# Altium PCB mantarray_beta2_sensor_arrayed.PcbDoc (part 10 of 14) (continued)
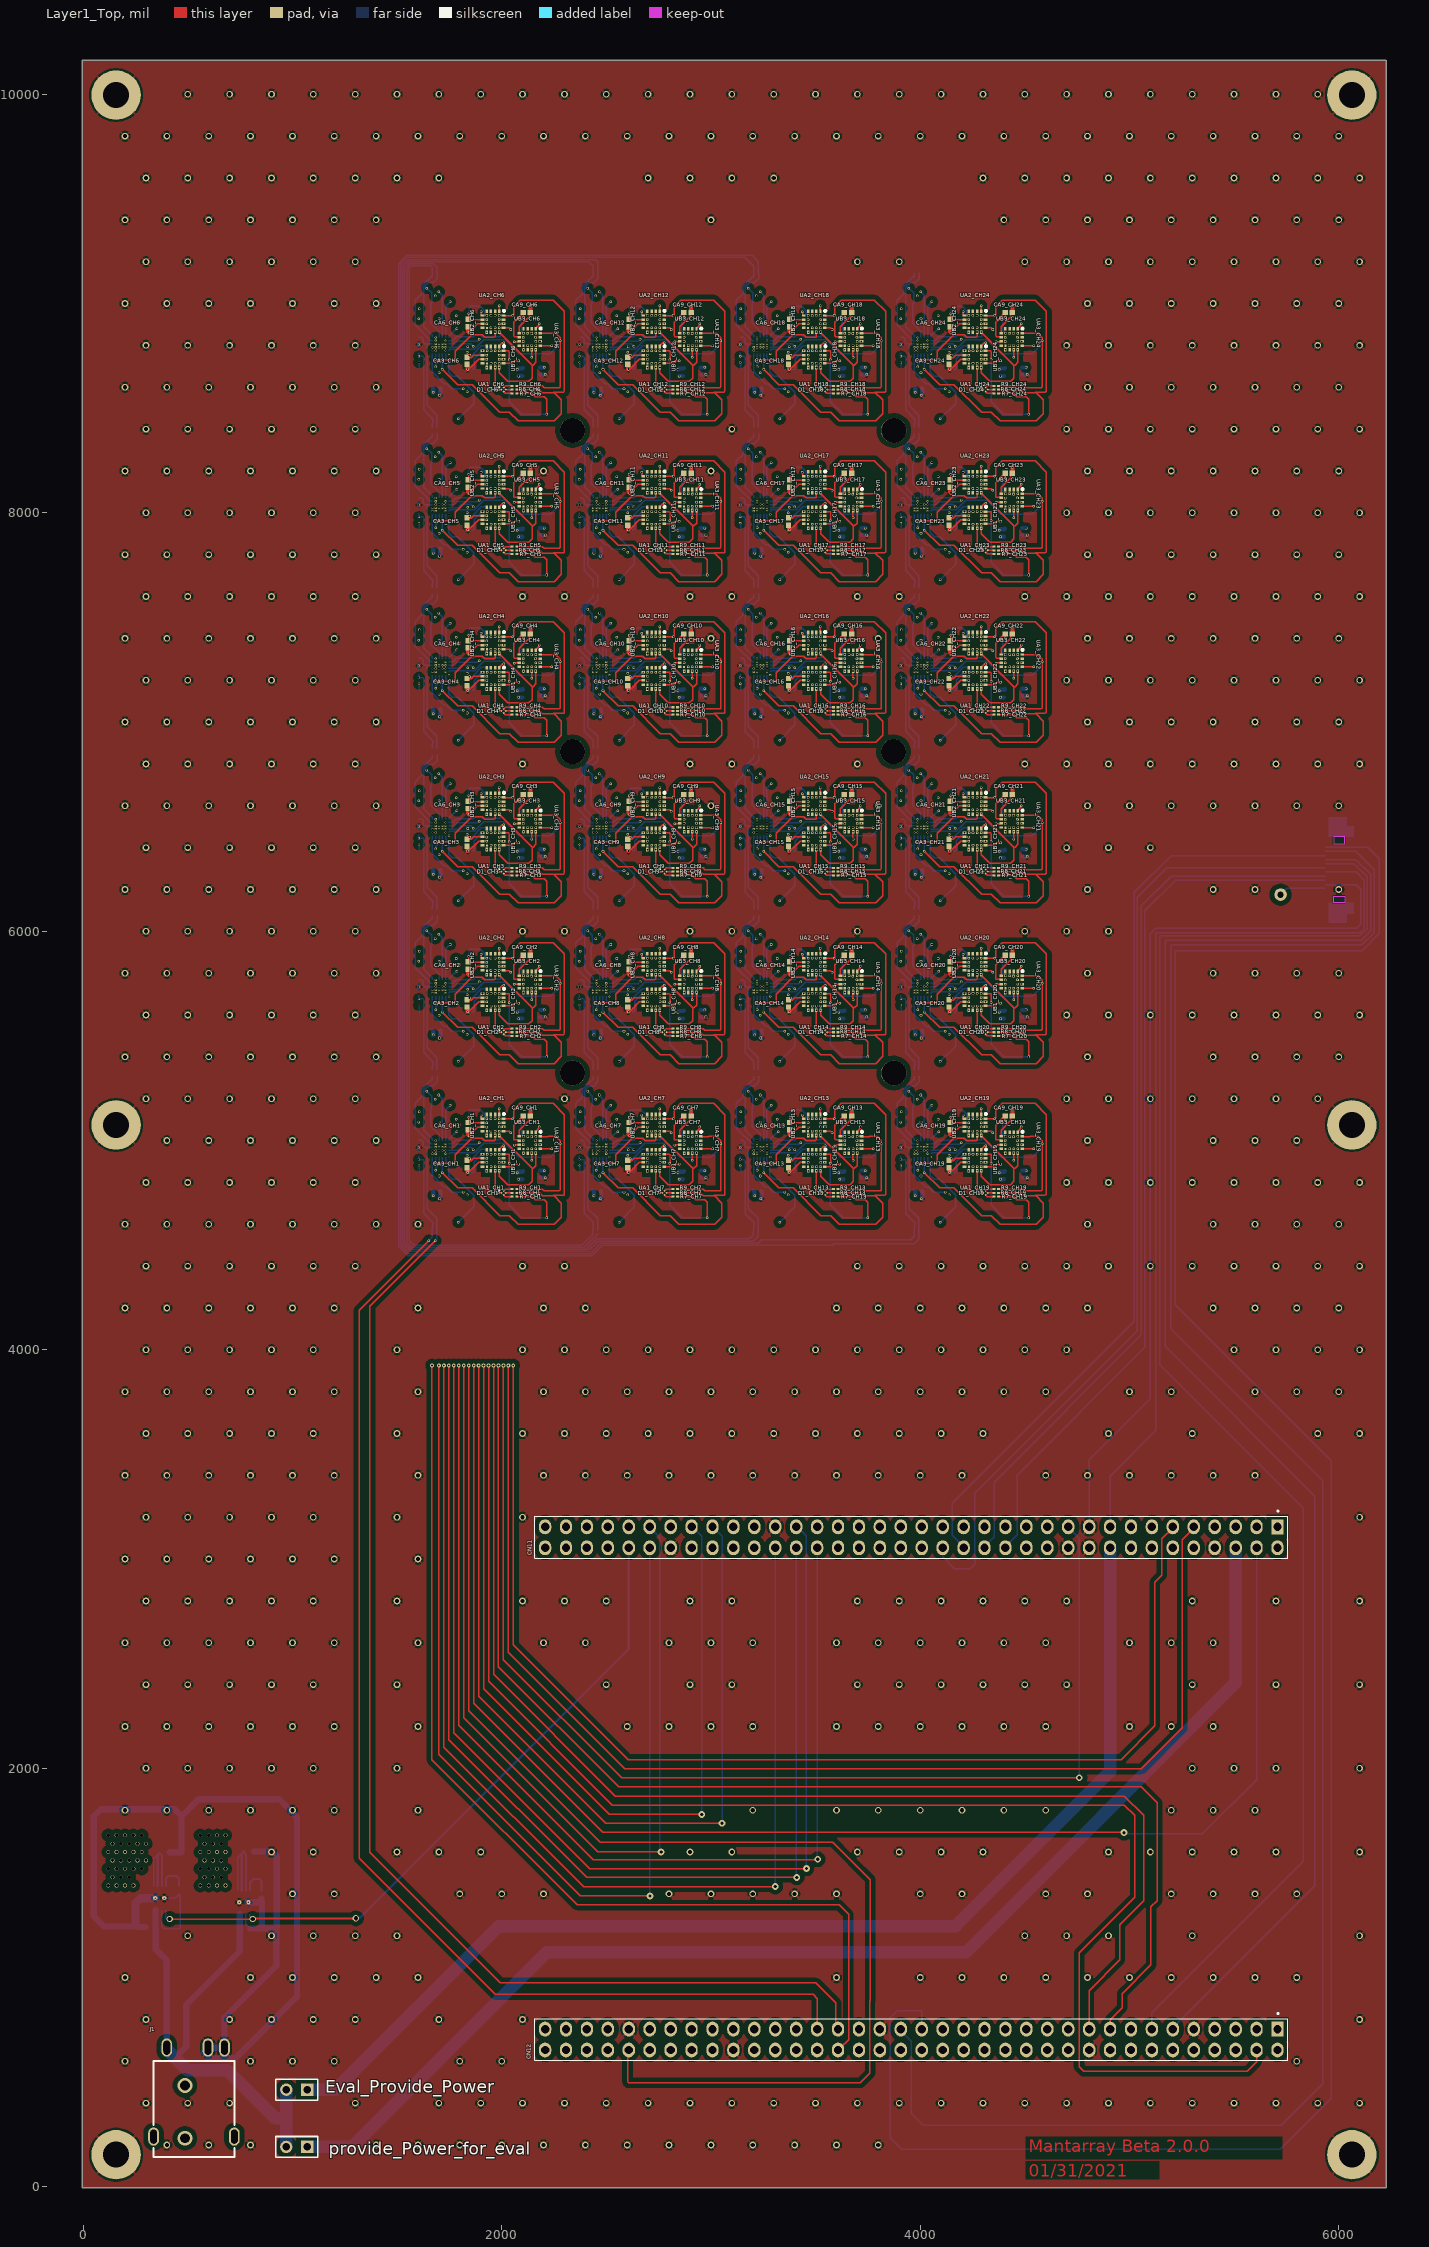
[diagram p0: Layer1_Top view]
## Nets (pads, with @x,y where several pads share a name; then routed paths per layer and width w, separated by ;. In a path a pad name is that pad's centre, name@x,y a point inside that pad or via, vN(x,y) a via of type N, cw(c..) or ccw(c..) an arc to the next point about the centre after c; other vN are vias at no path point) (continued)
MDC_CTS: Barcode_reader.7 CN11.17 | length 4364.8
  Layer8_BOT w6: CN11.17@4907.48,3153.94 4907.48,3395.67 5126.31,3614.5 5126.31,5988.61 5129.83,5992.13 6101.18,5992.13 6122.05,6012.99 6122.05,6244.52 6083.1,6283.46 Barcode_reader.7@5936.08,6283.46
MDC_LED: Barcode_reader.3 CN11.32 | length 4500.8
  Layer8_BOT w6: CN11.32@4207.48,3053.94 4207.48,3059.84 4153.54,3113.78 4153.54,3267.72 5022.31,4136.49 5022.31,6185.7 5198.82,6362.2 Barcode_reader.3@5936.08,6362.2
MDC_PD: Barcode_reader.5 CN12.13 | length 7284.5
  Layer8_BOT w6: CN12.13@5107.48,753.94 5107.48,831.89 5830.71,1555.12 5830.71,3242.13 5144.7,3928.14 5144.7,5974.83 5148.21,5978.35 6101.54,5978.35 6135.83,6012.63 6135.83,6259.84 6072.83,6322.83 Barcode_reader.5@5936.08,6322.83
MDC_RTS: Barcode_reader.6 CN11.34 | length 4700.5
  Layer8_BOT w6: CN11.34@4107.48,3059.84 CN11.34@4107.48,3053.94 4107.48,3010.63 4163.39,2954.72 4240.16,2954.72 4261.81,2976.38 4261.81,3314.96 5037.4,4090.55 5037.4,6163.39 5177.17,6303.15 Barcode_reader.6@5936.08,6303.15
MDC_RXD: Barcode_reader.9 CN11.28 | length 4242.5
  Layer8_BOT w6: CN11.28@4407.48,3053.94 4407.48,3059.84 4464.57,3116.93 4464.57,3401.57 5074.31,4011.32 5074.31,6097.94 5220.47,6244.09 Barcode_reader.9@5936.08,6244.09
MDC_TRIG: Barcode_reader.1 CN12.35 | length 10497.2
  Layer8_BOT w6: CN12.35@4007.48,753.94 4007.48,837.01 4001.97,842.52 3889.76,842.52 3856.3,809.06 3856.3,234.25 3911.42,179.13 5720.47,179.13 5964.57,423.23 5964.57,3470.47 5218.5,4216.54 5218.5,5903.97 5222.02,5907.48 6112.2,5907.48 6194.88,5990.16 6194.88,6346.46 6139.76,6401.57 Barcode_reader.1@5936.08,6401.57
MDC_TXD: Barcode_reader.8 CN11.30 | length 4316.3
  Layer8_BOT w6: CN11.30@4307.48,3053.94 4307.48,3059.84 4353.7,3106.06 4353.7,3367.48 5057.09,4070.87 5057.09,6122.05 5198.82,6263.78 Barcode_reader.8@5936.08,6263.78
MDC_WAKE: Barcode_reader.2 CN12.37 | length 9804.1
  Layer8_BOT w6: CN12.37@3907.48,753.94 3907.48,746.06 3956.69,696.85 3956.69,352.36 4015.75,293.31 5724.41,293.31 5923.07,491.97 5923.07,3374.17 5196.85,4100.39 5196.85,5931.52 5200.37,5935.04 6110.24,5935.04 6169.29,5994.09 6169.29,6295.28 6082.68,6381.89 Barcode_reader.2@5936.08,6381.89
NetC73_AVDD_1: C73_AVDD.1 U14_AVDD.8 | length 146.4
  Layer8_BOT w10: U14_AVDD.8@797.25,1417.32 797.25,1454.73 812.99,1470.47 842.52,1470.47 852.36,1460.63 C73_AVDD.1@852.36,1417.32
NetC73_DVDD_1: C73_DVDD.1 U14_DVDD.8 | length 146.4
  Layer8_BOT w10: U14_DVDD.8@395.67,1437.01 395.67,1474.41 407.48,1486.22 444.88,1486.22 458.66,1472.44 C73_DVDD.1@458.66,1437.01
NetD1_CH1_2: D1_CH1.2 R9_CH1.1 | length 43.7
  Layer1_Top w6: D1_CH1.2@2009.84,4759.74 2017.82,4767.72 R9_CH1.1@2050.2,4767.72
NetD1_CH1_3: D1_CH1.3 R8_CH1.1 | length 30.6
  Layer1_Top w6: D1_CH1.3@2019.59,4750 R8_CH1.1@2050.2,4750
NetD1_CH1_4: D1_CH1.4 R7_CH1.1 | length 43.7
  Layer1_Top w6: D1_CH1.4@2009.84,4740.26 2017.82,4732.28 R7_CH1.1@2050.2,4732.28
NetD1_CH2_2: D1_CH2.2 R9_CH2.1 | length 43.7
  Layer1_Top w6: D1_CH2.2@2009.84,5527.46 2017.82,5535.43 R9_CH2.1@2050.2,5535.43
NetD1_CH2_3: D1_CH2.3 R8_CH2.1 | length 30.6
  Layer1_Top w6: D1_CH2.3@2019.59,5517.72 R8_CH2.1@2050.2,5517.72
NetD1_CH2_4: D1_CH2.4 R7_CH2.1 | length 43.7
  Layer1_Top w6: D1_CH2.4@2009.84,5507.97 2017.82,5500 R7_CH2.1@2050.2,5500
NetD1_CH3_2: D1_CH3.2 R9_CH3.1 | length 43.7
  Layer1_Top w6: D1_CH3.2@2009.84,6295.18 2017.82,6303.15 R9_CH3.1@2050.2,6303.15
NetD1_CH3_3: D1_CH3.3 R8_CH3.1 | length 30.6
  Layer1_Top w6: D1_CH3.3@2019.59,6285.43 R8_CH3.1@2050.2,6285.43
NetD1_CH3_4: D1_CH3.4 R7_CH3.1 | length 43.7
  Layer1_Top w6: D1_CH3.4@2009.84,6275.69 2017.82,6267.72 R7_CH3.1@2050.2,6267.72
NetD1_CH4_2: D1_CH4.2 R9_CH4.1 | length 43.7
  Layer1_Top w6: D1_CH4.2@2009.84,7062.89 2017.82,7070.87 R9_CH4.1@2050.2,7070.87
NetD1_CH4_3: D1_CH4.3 R8_CH4.1 | length 30.6
  Layer1_Top w6: D1_CH4.3@2019.59,7053.15 R8_CH4.1@2050.2,7053.15
NetD1_CH4_4: D1_CH4.4 R7_CH4.1 | length 43.7
  Layer1_Top w6: D1_CH4.4@2009.84,7043.4 2017.82,7035.43 R7_CH4.1@2050.2,7035.43
NetD1_CH5_2: D1_CH5.2 R9_CH5.1 | length 43.7
  Layer1_Top w6: D1_CH5.2@2009.84,7830.61 2017.82,7838.58 R9_CH5.1@2050.2,7838.58
NetD1_CH5_3: D1_CH5.3 R8_CH5.1 | length 30.6
  Layer1_Top w6: D1_CH5.3@2019.59,7820.86 R8_CH5.1@2050.2,7820.87
NetD1_CH5_4: D1_CH5.4 R7_CH5.1 | length 43.7
  Layer1_Top w6: D1_CH5.4@2009.84,7811.12 2017.82,7803.15 R7_CH5.1@2050.2,7803.15
NetD1_CH6_2: D1_CH6.2 R9_CH6.1 | length 43.7
  Layer1_Top w6: D1_CH6.2@2009.84,8598.33 2017.82,8606.3 R9_CH6.1@2050.2,8606.3
NetD1_CH6_3: D1_CH6.3 R8_CH6.1 | length 30.6
  Layer1_Top w6: D1_CH6.3@2019.59,8588.58 R8_CH6.1@2050.2,8588.58
NetD1_CH6_4: D1_CH6.4 R7_CH6.1 | length 43.7
  Layer1_Top w6: D1_CH6.4@2009.84,8578.84 2017.82,8570.87 R7_CH6.1@2050.2,8570.87
NetD1_CH7_2: D1_CH7.2 R9_CH7.1 | length 43.7
  Layer1_Top w6: D1_CH7.2@2777.56,4759.74 2785.53,4767.72 R9_CH7.1@2817.91,4767.72
NetD1_CH7_3: D1_CH7.3 R8_CH7.1 | length 30.6
  Layer1_Top w6: D1_CH7.3@2787.3,4750 R8_CH7.1@2817.91,4750
NetD1_CH7_4: D1_CH7.4 R7_CH7.1 | length 43.7
  Layer1_Top w6: D1_CH7.4@2777.56,4740.26 2785.53,4732.28 R7_CH7.1@2817.91,4732.28
NetD1_CH8_2: D1_CH8.2 R9_CH8.1 | length 43.7
  Layer1_Top w6: D1_CH8.2@2777.56,5527.46 2785.53,5535.43 R9_CH8.1@2817.91,5535.43
NetD1_CH8_3: D1_CH8.3 R8_CH8.1 | length 30.6
  Layer1_Top w6: D1_CH8.3@2787.3,5517.72 R8_CH8.1@2817.91,5517.72
NetD1_CH8_4: D1_CH8.4 R7_CH8.1 | length 43.7
  Layer1_Top w6: D1_CH8.4@2777.56,5507.97 2785.53,5500 R7_CH8.1@2817.91,5500
NetD1_CH9_2: D1_CH9.2 R9_CH9.1 | length 43.7
  Layer1_Top w6: D1_CH9.2@2777.56,6295.18 2785.53,6303.15 R9_CH9.1@2817.91,6303.15
NetD1_CH9_3: D1_CH9.3 R8_CH9.1 | length 30.6
  Layer1_Top w6: D1_CH9.3@2787.3,6285.43 R8_CH9.1@2817.91,6285.43
NetD1_CH9_4: D1_CH9.4 R7_CH9.1 | length 43.7
  Layer1_Top w6: D1_CH9.4@2777.56,6275.69 2785.53,6267.72 R7_CH9.1@2817.91,6267.72
NetD1_CH10_2: D1_CH10.2 R9_CH10.1 | length 43.7
  Layer1_Top w6: D1_CH10.2@2777.56,7062.89 2785.53,7070.87 R9_CH10.1@2817.91,7070.87
NetD1_CH10_3: D1_CH10.3 R8_CH10.1 | length 30.6
  Layer1_Top w6: D1_CH10.3@2787.3,7053.15 R8_CH10.1@2817.91,7053.15
NetD1_CH10_4: D1_CH10.4 R7_CH10.1 | length 43.7
  Layer1_Top w6: D1_CH10.4@2777.56,7043.4 2785.53,7035.43 R7_CH10.1@2817.91,7035.43
NetD1_CH11_2: D1_CH11.2 R9_CH11.1 | length 43.7
  Layer1_Top w6: D1_CH11.2@2777.56,7830.61 2785.53,7838.58 R9_CH11.1@2817.91,7838.58
NetD1_CH11_3: D1_CH11.3 R8_CH11.1 | length 30.6
  Layer1_Top w6: D1_CH11.3@2787.3,7820.86 R8_CH11.1@2817.91,7820.87
NetD1_CH11_4: D1_CH11.4 R7_CH11.1 | length 43.7
  Layer1_Top w6: D1_CH11.4@2777.56,7811.12 2785.53,7803.15 R7_CH11.1@2817.91,7803.15
NetD1_CH12_2: D1_CH12.2 R9_CH12.1 | length 43.7
  Layer1_Top w6: D1_CH12.2@2777.56,8598.33 2785.53,8606.3 R9_CH12.1@2817.91,8606.3
NetD1_CH12_3: D1_CH12.3 R8_CH12.1 | length 30.6
  Layer1_Top w6: D1_CH12.3@2787.3,8588.58 R8_CH12.1@2817.91,8588.58
NetD1_CH12_4: D1_CH12.4 R7_CH12.1 | length 43.7
  Layer1_Top w6: D1_CH12.4@2777.56,8578.84 2785.53,8570.87 R7_CH12.1@2817.91,8570.87
NetD1_CH13_2: D1_CH13.2 R9_CH13.1 | length 43.7
  Layer1_Top w6: D1_CH13.2@3545.28,4759.74 3553.25,4767.72 R9_CH13.1@3585.63,4767.72
NetD1_CH13_3: D1_CH13.3 R8_CH13.1 | length 30.6
  Layer1_Top w6: D1_CH13.3@3555.02,4750 R8_CH13.1@3585.63,4750
NetD1_CH13_4: D1_CH13.4 R7_CH13.1 | length 43.7
  Layer1_Top w6: D1_CH13.4@3545.28,4740.26 3553.25,4732.28 R7_CH13.1@3585.63,4732.28
NetD1_CH14_2: D1_CH14.2 R9_CH14.1 | length 43.7
  Layer1_Top w6: D1_CH14.2@3545.28,5527.46 3553.25,5535.43 R9_CH14.1@3585.63,5535.43
NetD1_CH14_3: D1_CH14.3 R8_CH14.1 | length 30.6
  Layer1_Top w6: D1_CH14.3@3555.02,5517.72 R8_CH14.1@3585.63,5517.72
NetD1_CH14_4: D1_CH14.4 R7_CH14.1 | length 43.7
  Layer1_Top w6: D1_CH14.4@3545.28,5507.97 3553.25,5500 R7_CH14.1@3585.63,5500
NetD1_CH15_2: D1_CH15.2 R9_CH15.1 | length 43.7
  Layer1_Top w6: D1_CH15.2@3545.28,6295.18 3553.25,6303.15 R9_CH15.1@3585.63,6303.15
NetD1_CH15_3: D1_CH15.3 R8_CH15.1 | length 30.6
  Layer1_Top w6: D1_CH15.3@3555.02,6285.43 R8_CH15.1@3585.63,6285.43
NetD1_CH15_4: D1_CH15.4 R7_CH15.1 | length 43.7
  Layer1_Top w6: D1_CH15.4@3545.28,6275.69 3553.25,6267.72 R7_CH15.1@3585.63,6267.72
NetD1_CH16_2: D1_CH16.2 R9_CH16.1 | length 43.7
  Layer1_Top w6: D1_CH16.2@3545.28,7062.89 3553.25,7070.87 R9_CH16.1@3585.63,7070.87
NetD1_CH16_3: D1_CH16.3 R8_CH16.1 | length 30.6
  Layer1_Top w6: D1_CH16.3@3555.02,7053.15 R8_CH16.1@3585.63,7053.15
NetD1_CH16_4: D1_CH16.4 R7_CH16.1 | length 43.7
  Layer1_Top w6: D1_CH16.4@3545.28,7043.4 3553.25,7035.43 R7_CH16.1@3585.63,7035.43
NetD1_CH17_2: D1_CH17.2 R9_CH17.1 | length 43.7
  Layer1_Top w6: D1_CH17.2@3545.28,7830.61 3553.25,7838.58 R9_CH17.1@3585.63,7838.58
NetD1_CH17_3: D1_CH17.3 R8_CH17.1 | length 30.6
  Layer1_Top w6: D1_CH17.3@3555.02,7820.86 R8_CH17.1@3585.63,7820.87
NetD1_CH17_4: D1_CH17.4 R7_CH17.1 | length 43.7
  Layer1_Top w6: D1_CH17.4@3545.28,7811.12 3553.25,7803.15 R7_CH17.1@3585.63,7803.15
NetD1_CH18_2: D1_CH18.2 R9_CH18.1 | length 43.7
  Layer1_Top w6: D1_CH18.2@3545.28,8598.33 3553.25,8606.3 R9_CH18.1@3585.63,8606.3
NetD1_CH18_3: D1_CH18.3 R8_CH18.1 | length 30.6
  Layer1_Top w6: D1_CH18.3@3555.02,8588.58 R8_CH18.1@3585.63,8588.58
NetD1_CH18_4: D1_CH18.4 R7_CH18.1 | length 43.7
  Layer1_Top w6: D1_CH18.4@3545.28,8578.84 3553.25,8570.87 R7_CH18.1@3585.63,8570.87
NetD1_CH19_2: D1_CH19.2 R9_CH19.1 | length 43.7
  Layer1_Top w6: D1_CH19.2@4312.99,4759.74 4320.97,4767.72 R9_CH19.1@4353.35,4767.72
NetD1_CH19_3: D1_CH19.3 R8_CH19.1 | length 30.6
  Layer1_Top w6: D1_CH19.3@4322.74,4750 R8_CH19.1@4353.35,4750
NetD1_CH19_4: D1_CH19.4 R7_CH19.1 | length 43.7
  Layer1_Top w6: D1_CH19.4@4312.99,4740.26 4320.97,4732.28 R7_CH19.1@4353.35,4732.28
NetD1_CH20_2: D1_CH20.2 R9_CH20.1 | length 43.7
  Layer1_Top w6: D1_CH20.2@4312.99,5527.46 4320.97,5535.43 R9_CH20.1@4353.35,5535.43
NetD1_CH20_3: D1_CH20.3 R8_CH20.1 | length 30.6
  Layer1_Top w6: D1_CH20.3@4322.74,5517.72 R8_CH20.1@4353.35,5517.72
NetD1_CH20_4: D1_CH20.4 R7_CH20.1 | length 43.7
  Layer1_Top w6: D1_CH20.4@4312.99,5507.97 4320.97,5500 R7_CH20.1@4353.35,5500
NetD1_CH21_2: D1_CH21.2 R9_CH21.1 | length 43.7
  Layer1_Top w6: D1_CH21.2@4312.99,6295.18 4320.97,6303.15 R9_CH21.1@4353.35,6303.15
NetD1_CH21_3: D1_CH21.3 R8_CH21.1 | length 30.6
  Layer1_Top w6: D1_CH21.3@4322.74,6285.43 R8_CH21.1@4353.35,6285.43
NetD1_CH21_4: D1_CH21.4 R7_CH21.1 | length 43.7
  Layer1_Top w6: D1_CH21.4@4312.99,6275.69 4320.97,6267.72 R7_CH21.1@4353.35,6267.72
NetD1_CH22_2: D1_CH22.2 R9_CH22.1 | length 43.7
  Layer1_Top w6: D1_CH22.2@4312.99,7062.89 4320.97,7070.87 R9_CH22.1@4353.35,7070.87
NetD1_CH22_3: D1_CH22.3 R8_CH22.1 | length 30.6
  Layer1_Top w6: D1_CH22.3@4322.74,7053.15 R8_CH22.1@4353.35,7053.15
NetD1_CH22_4: D1_CH22.4 R7_CH22.1 | length 43.7
  Layer1_Top w6: D1_CH22.4@4312.99,7043.4 4320.97,7035.43 R7_CH22.1@4353.35,7035.43
NetD1_CH23_2: D1_CH23.2 R9_CH23.1 | length 43.7
  Layer1_Top w6: D1_CH23.2@4312.99,7830.61 4320.97,7838.58 R9_CH23.1@4353.35,7838.58
NetD1_CH23_3: D1_CH23.3 R8_CH23.1 | length 30.6
  Layer1_Top w6: D1_CH23.3@4322.74,7820.86 R8_CH23.1@4353.35,7820.87
NetD1_CH23_4: D1_CH23.4 R7_CH23.1 | length 43.7
  Layer1_Top w6: D1_CH23.4@4312.99,7811.12 4320.97,7803.15 R7_CH23.1@4353.35,7803.15
NetD1_CH24_2: D1_CH24.2 R9_CH24.1 | length 43.7
  Layer1_Top w6: D1_CH24.2@4312.99,8598.33 4320.97,8606.3 R9_CH24.1@4353.35,8606.3
NetD1_CH24_3: D1_CH24.3 R8_CH24.1 | length 30.6
  Layer1_Top w6: D1_CH24.3@4322.74,8588.58 R8_CH24.1@4353.35,8588.58
NetD1_CH24_4: D1_CH24.4 R7_CH24.1 | length 43.7
  Layer1_Top w6: D1_CH24.4@4312.99,8578.84 4320.97,8570.87 R7_CH24.1@4353.35,8570.87
NRST: CN11.14
PROGRAMMER_RX: CN11.9 pad.5@2003.94,4557.09 pad.5@2003.94,5320.87 pad.5@2003.94,5324.8 pad.5@2003.94,6088.58 pad.5@2003.94,6092.52 pad.5@2003.94,6856.3 pad.5@2003.94,6860.24 pad.5@2003.94,7624.02 pad.5@2003.94,7627.95 pad.5@2003.94,8391.73 pad.5@2003.94,8395.67 pad.5@2003.94,9159.45 pad.5@2771.65,4557.09 pad.5@2771.65,5320.87 pad.5@2771.65,5324.8 pad.5@2771.65,6088.58 pad.5@2771.65,6092.52 pad.5@2771.65,6856.3 pad.5@2771.65,6860.24 pad.5@2771.65,7624.02 pad.5@2771.65,7627.95 pad.5@2771.65,8391.73 pad.5@2771.65,8395.67 pad.5@2771.65,9159.45 pad.5@3539.37,4557.09 pad.5@3539.37,5320.87 pad.5@3539.37,5324.8 pad.5@3539.37,6088.58 pad.5@3539.37,6092.52 pad.5@3539.37,6856.3 pad.5@3539.37,6860.24 pad.5@3539.37,7624.02 pad.5@3539.37,7627.95 pad.5@3539.37,8391.73 pad.5@3539.37,8395.67 pad.5@3539.37,9159.45 pad.5@4307.09,4557.09 pad.5@4307.09,5320.87 pad.5@4307.09,5324.8 pad.5@4307.09,6088.58 pad.5@4307.09,6092.52 pad.5@4307.09,6856.3 pad.5@4307.09,6860.24 pad.5@4307.09,7624.02 pad.5@4307.09,7627.95 pad.5@4307.09,8391.73 pad.5@4307.09,8395.67 pad.5@4307.09,9159.45 U1_CH1.D1 U1_CH2.D1 U1_CH3.D1 U1_CH4.D1 U1_CH5.D1 U1_CH6.D1 U1_CH7.D1 U1_CH8.D1 U1_CH9.D1 U1_CH10.D1 U1_CH11.D1 U1_CH12.D1 U1_CH13.D1 U1_CH14.D1 U1_CH15.D1 U1_CH16.D1 U1_CH17.D1 U1_CH18.D1 U1_CH19.D1 U1_CH20.D1 U1_CH21.D1 U1_CH22.D1 U1_CH23.D1 U1_CH24.D1 | length 36155.8
  Layer1_Top w6: v8(2032.16,3925.2) 2032.16,2554.92 2589.14,1997.94 5056.99,1997.94 5251.97,2192.91 5251.97,3092.52 5307.48,3148.03 CN11.9@5307.48,3153.94
  Layer6_BUS w6: v4(1812.08,9575.86) 2003.94,9384.01 pad.5@2003.94,9159.45 ; v1(1864.55,4956.98) 1865.36,4956.98 1873.53,4948.82 1874.02,4948.82 1875.83,4947.01 ; v1(1864.55,5724.7) 1865.36,5724.7 1873.53,5716.54 1874.02,5716.54 1875.83,5714.72 ; v1(1864.55,6492.41) 1865.36,6492.41 1873.53,6484.25 1874.02,6484.25 1875.83,6482.44 ; v1(1864.55,7260.13) 1865.36,7260.13 1873.53,7251.97 1874.02,7251.97 1875.83,7250.16 ; v1(1864.55,8027.85) 1865.36,8027.85 1873.53,8019.69 1874.02,8019.69 1875.83,8017.87 ; v1(1864.55,8795.56) 1865.36,8795.56 1873.53,8787.4 1874.02,8787.4 1875.83,8785.59 ; pad.5@2003.94,4555.12 2003.94,4682.18 1875.98,4810.14 1875.98,5171.26 2003.94,5299.21 pad.5@2003.94,5320.87 pad.5@2003.94,5322.83 ; pad.5@2003.94,4557.09 2003.94,4003.94 2032.16,3975.72 v8(2032.16,3925.2) ; pad.5@2003.94,5324.8 pad.5@2003.94,5322.83 ; pad.5@2003.94,6092.52 pad.5@2003.94,6090.55 ; pad.5@2003.94,6860.24 pad.5@2003.94,6858.27 ; pad.5@2003.94,7627.95 pad.5@2003.94,7625.98 ; pad.5@2003.94,8395.67 pad.5@2003.94,8393.7 ; pad.5@2003.94,9161.42 pad.5@2003.94,9159.45 ; v4(2607.36,4130.83) 2771.65,4295.12 pad.5@2771.65,4557.09 2771.65,4555.12 2771.65,4682.18 2643.7,4810.14 2643.7,5171.26 2771.65,5299.21 pad.5@2771.65,5320.87 pad.5@2771.65,5322.83 ; v4(2616.63,9506.4) 2771.65,9351.38 pad.5@2771.65,9159.45 ; v1(2632.27,4956.98) 2633.08,4956.98 2641.24,4948.82 2641.73,4948.82 2643.54,4947.01 ; v1(2632.27,5724.7) 2633.08,5724.7 2641.24,5716.54 2641.73,5716.54 2643.54,5714.72 ; v1(2632.27,6492.41) 2633.08,6492.41 2641.24,6484.25 2641.73,6484.25 2643.54,6482.44 ; v1(2632.27,7260.13) 2633.08,7260.13 2641.24,7251.97 2641.73,7251.97 2643.54,7250.16 ; v1(2632.27,8027.85) 2633.08,8027.85 2641.24,8019.69 2641.73,8019.69 2643.54,8017.87 ; v1(2632.27,8795.56) 2633.08,8795.56 2641.24,8787.4 2641.73,8787.4 2643.54,8785.59 ; pad.5@2771.65,5324.8 pad.5@2771.65,5322.83 ; pad.5@2771.65,6092.52 pad.5@2771.65,6090.55 ; pad.5@2771.65,6860.24 pad.5@2771.65,6858.27 ; pad.5@2771.65,7627.95 pad.5@2771.65,7625.98 ; pad.5@2771.65,8395.67 pad.5@2771.65,8393.7 ; pad.5@2771.65,9161.42 pad.5@2771.65,9159.45 ; v4(3379.01,9558.15) 3539.37,9397.79 pad.5@3539.37,9159.45 ; v1(3399.99,4956.98) 3400.8,4956.98 3408.96,4948.82 3409.45,4948.82 3411.26,4947.01 ; v1(3399.99,5724.7) 3400.8,5724.7 3408.96,5716.54 3409.45,5716.54 3411.26,5714.72 ; v1(3399.99,6492.41) 3400.8,6492.41 3408.96,6484.25 3409.45,6484.25 3411.26,6482.44 ; v1(3399.99,7260.13) 3400.8,7260.13 3408.96,7251.97 3409.45,7251.97 3411.26,7250.16 ; v1(3399.99,8027.85) 3400.8,8027.85 3408.96,8019.69 3409.45,8019.69 3411.26,8017.87 ; v1(3399.99,8795.56) 3400.8,8795.56 3408.96,8787.4 3409.45,8787.4 3411.26,8785.59 ; v4(3468.01,4246.56) 3539.37,4317.91 pad.5@3539.37,4557.09 3539.37,4555.12 3539.37,4682.18 3411.42,4810.14 3411.42,5171.26 3539.37,5299.21 pad.5@3539.37,5320.87 pad.5@3539.37,5322.83 ; pad.5@3539.37,5324.8 pad.5@3539.37,5322.83 ; pad.5@3539.37,6092.52 pad.5@3539.37,6090.55 ; pad.5@3539.37,6860.24 pad.5@3539.37,6858.27 ; pad.5@3539.37,7627.95 pad.5@3539.37,7625.98 ; pad.5@3539.37,8395.67 pad.5@3539.37,8393.7 ; pad.5@3539.37,9161.42 pad.5@3539.37,9159.45 ; v4(4123.11,9556.18) 4307.75,9371.54 pad.5@4307.75,9160.11 ; v1(4167.7,4956.98) 4168.51,4956.98 4176.68,4948.82 4177.17,4948.82 4178.98,4947.01 ; v1(4167.7,5724.7) 4168.51,5724.7 4176.68,5716.54 4177.17,5716.54 4178.98,5714.72 ; v1(4167.7,6492.41) 4168.51,6492.41 4176.68,6484.25 4177.17,6484.25 4178.98,6482.44 ; v1(4167.7,7260.13) 4168.51,7260.13 4176.68,7251.97 4177.17,7251.97 4178.98,7250.16 ; v1(4167.7,8027.85) 4168.51,8027.85 4176.68,8019.69 4177.17,8019.69 4178.98,8017.87 ; v1(4167.7,8795.56) 4168.51,8795.56 4176.68,8787.4 4177.17,8787.4 4178.98,8785.59 ; pad.5@4307.09,4557.09 4307.09,4555.12 4307.09,4682.18 4179.13,4810.14 4179.13,5171.26 4307.09,5299.21 pad.5@4307.09,5320.87 pad.5@4307.09,5322.83 ; pad.5@4307.09,5324.8 pad.5@4307.09,5322.83 ; pad.5@4307.09,6092.52 pad.5@4307.09,6090.55 ; pad.5@4307.09,6860.24 pad.5@4307.09,6858.27 ; pad.5@4307.09,7627.95 pad.5@4307.09,7625.98 ; pad.5@4307.09,8395.67 pad.5@4307.09,8393.7 ; pad.5@4307.09,9161.42 pad.5@4307.09,9159.45 4307.09,9137.8 4179.13,9009.84 4179.13,8648.72 4307.09,8520.77 pad.5@4307.09,8393.7 ; pad.5@2003.94,5322.83 2003.94,5449.9 1875.98,5577.85 1875.98,5938.98 2003.94,6066.93 pad.5@2003.94,6088.58 pad.5@2003.94,6090.55 ; pad.5@2003.94,6090.55 2003.94,6217.62 1875.98,6345.57 1875.98,6706.69 2003.94,6834.65 pad.5@2003.94,6856.3 pad.5@2003.94,6858.27 ; pad.5@2003.94,6858.27 2003.94,6985.33 1875.98,7113.28 1875.98,7474.41 2003.94,7602.36 pad.5@2003.94,7624.02 pad.5@2003.94,7625.98 ; pad.5@2003.94,7625.98 2003.94,7753.05 1875.98,7881 1875.98,8242.13 2003.94,8370.08 pad.5@2003.94,8391.73 pad.5@2003.94,8393.7 ; pad.5@2003.94,8393.7 2003.94,8520.77 1875.98,8648.72 1875.98,9009.84 2003.94,9137.8 pad.5@2003.94,9159.45 ; pad.5@2771.65,5322.83 2771.65,5449.9 2643.7,5577.85 2643.7,5938.98 2771.65,6066.93 pad.5@2771.65,6088.58 pad.5@2771.65,6090.55 ; pad.5@2771.65,6090.55 2771.65,6217.62 2643.7,6345.57 2643.7,6706.69 2771.65,6834.65 pad.5@2771.65,6856.3 pad.5@2771.65,6858.27 ; pad.5@2771.65,6858.27 2771.65,6985.33 2643.7,7113.28 2643.7,7474.41 2771.65,7602.36 pad.5@2771.65,7624.02 pad.5@2771.65,7625.98 ; pad.5@2771.65,7625.98 2771.65,7753.05 2643.7,7881 2643.7,8242.13 2771.65,8370.08 pad.5@2771.65,8391.73 pad.5@2771.65,8393.7 ; pad.5@2771.65,8393.7 2771.65,8520.77 2643.7,8648.72 2643.7,9009.84 2771.65,9137.8 pad.5@2771.65,9159.45 ; pad.5@3539.37,5322.83 3539.37,5449.9 3411.42,5577.85 3411.42,5938.98 3539.37,6066.93 pad.5@3539.37,6088.58 pad.5@3539.37,6090.55 ; pad.5@3539.37,6090.55 3539.37,6217.62 3411.42,6345.57 3411.42,6706.69 3539.37,6834.65 pad.5@3539.37,6856.3 pad.5@3539.37,6858.27 ; pad.5@3539.37,6858.27 3539.37,6985.33 3411.42,7113.28 3411.42,7474.41 3539.37,7602.36 pad.5@3539.37,7624.02 pad.5@3539.37,7625.98 ; pad.5@3539.37,7625.98 3539.37,7753.05 3411.42,7881 3411.42,8242.13 3539.37,8370.08 pad.5@3539.37,8391.73 pad.5@3539.37,8393.7 ; pad.5@3539.37,8393.7 3539.37,8520.77 3411.42,8648.72 3411.42,9009.84 3539.37,9137.8 pad.5@3539.37,9159.45 ; pad.5@4307.09,5322.83 4307.09,5449.9 4179.13,5577.85 4179.13,5938.98 4307.09,6066.93 pad.5@4307.09,6088.58 pad.5@4307.09,6090.55 ; pad.5@4307.09,6090.55 4307.09,6217.62 4179.13,6345.57 4179.13,6706.69 4307.09,6834.65 pad.5@4307.09,6856.3 pad.5@4307.09,6858.27 ; pad.5@4307.09,6858.27 4307.09,6985.33 4179.13,7113.28 4179.13,7474.41 4307.09,7602.36 pad.5@4307.09,7624.02 pad.5@4307.09,7625.98 ; pad.5@4307.09,7625.98 4307.09,7753.05 4179.13,7881 4179.13,8242.13 4307.09,8370.08 pad.5@4307.09,8391.73 pad.5@4307.09,8393.7
  Layer7_sig2 w6: v4(1812.08,9575.86) 1812.53,9575.42 1834.27,9575.42 1834.71,9575.86 2546.18,9575.86 2615.65,9506.4 v4(2616.63,9506.4) ; v4(2607.36,4130.83) 2607.8,4131.27 2629.54,4131.27 2629.99,4130.83 3351.3,4130.83 3467.03,4246.56 v4(3468.01,4246.56) ; v4(3379.01,9558.15) 3379.46,9557.7 4121.58,9557.7 v4(4123.11,9556.18)
  Layer8_BOT w6: U1_CH1.D1@1748.03,4952.76 1748.19,4952.91 1791.59,4952.91 1807.59,4968.91 1851.86,4968.91 1863.79,4956.98 v1(1864.55,4956.98) ; U1_CH2.D1@1748.03,5720.47 1748.19,5720.63 1791.59,5720.63 1807.59,5736.63 1851.86,5736.63 1863.79,5724.7 v1(1864.55,5724.7) ; U1_CH3.D1@1748.03,6488.19 1748.19,6488.35 1791.59,6488.35 1807.59,6504.35 1851.86,6504.35 1863.79,6492.41 v1(1864.55,6492.41) ; U1_CH4.D1@1748.03,7255.91 1748.19,7256.06 1791.59,7256.06 1807.59,7272.06 1851.86,7272.06 1863.79,7260.13 v1(1864.55,7260.13) ; U1_CH5.D1@1748.03,8023.62 1748.19,8023.78 1791.59,8023.78 1807.59,8039.78 1851.86,8039.78 1863.79,8027.85 v1(1864.55,8027.85) ; U1_CH6.D1@1748.03,8791.34 1748.19,8791.5 1791.59,8791.5 1807.59,8807.5 1851.86,8807.5 1863.79,8795.56 v1(1864.55,8795.56) ; U1_CH7.D1@2515.75,4952.76 2515.91,4952.91 2559.31,4952.91 2575.31,4968.91 2619.57,4968.91 2631.51,4956.98 v1(2632.27,4956.98) ; U1_CH8.D1@2515.75,5720.47 2515.91,5720.63 2559.31,5720.63 2575.31,5736.63 2619.57,5736.63 2631.51,5724.7 v1(2632.27,5724.7) ; U1_CH9.D1@2515.75,6488.19 2515.91,6488.35 2559.31,6488.35 2575.31,6504.35 2619.57,6504.35 2631.51,6492.41 v1(2632.27,6492.41) ; U1_CH10.D1@2515.75,7255.91 2515.91,7256.06 2559.31,7256.06 2575.31,7272.06 2619.57,7272.06 2631.51,7260.13 v1(2632.27,7260.13) ; U1_CH11.D1@2515.75,8023.62 2515.91,8023.78 2559.31,8023.78 2575.31,8039.78 2619.57,8039.78 2631.51,8027.85 v1(2632.27,8027.85) ; U1_CH12.D1@2515.75,8791.34 2515.91,8791.5 2559.31,8791.5 2575.31,8807.5 2619.57,8807.5 2631.51,8795.56 v1(2632.27,8795.56) ; U1_CH13.D1@3283.46,4952.76 3283.62,4952.91 3327.03,4952.91 3343.03,4968.91 3387.29,4968.91 3399.23,4956.98 v1(3399.99,4956.98) ; U1_CH14.D1@3283.46,5720.47 3283.62,5720.63 3327.03,5720.63 3343.03,5736.63 3387.29,5736.63 3399.23,5724.7 v1(3399.99,5724.7) ; U1_CH15.D1@3283.46,6488.19 3283.62,6488.35 3327.03,6488.35 3343.03,6504.35 3387.29,6504.35 3399.23,6492.41 v1(3399.99,6492.41) ; U1_CH16.D1@3283.46,7255.91 3283.62,7256.06 3327.03,7256.06 3343.03,7272.06 3387.29,7272.06 3399.23,7260.13 v1(3399.99,7260.13) ; U1_CH17.D1@3283.46,8023.62 3283.62,8023.78 3327.03,8023.78 3343.03,8039.78 3387.29,8039.78 3399.23,8027.85 v1(3399.99,8027.85) ; U1_CH18.D1@3283.46,8791.34 3283.62,8791.5 3327.03,8791.5 3343.03,8807.5 3387.29,8807.5 3399.23,8795.56 v1(3399.99,8795.56) ; U1_CH19.D1@4051.18,4952.76 4051.34,4952.91 4094.74,4952.91 4110.74,4968.91 4155.01,4968.91 4166.94,4956.98 v1(4167.7,4956.98) ; U1_CH20.D1@4051.18,5720.47 4051.34,5720.63 4094.74,5720.63 4110.74,5736.63 4155.01,5736.63 4166.94,5724.7 v1(4167.7,5724.7) ; U1_CH21.D1@4051.18,6488.19 4051.34,6488.35 4094.74,6488.35 4110.74,6504.35 4155.01,6504.35 4166.94,6492.41 v1(4167.7,6492.41) ; U1_CH22.D1@4051.18,7255.91 4051.34,7256.06 4094.74,7256.06 4110.74,7272.06 4155.01,7272.06 4166.94,7260.13 v1(4167.7,7260.13) ; U1_CH23.D1@4051.18,8023.62 4051.34,8023.78 4094.74,8023.78 4110.74,8039.78 4155.01,8039.78 4166.94,8027.85 v1(4167.7,8027.85) ; U1_CH24.D1@4051.18,8791.34 4051.34,8791.5 4094.74,8791.5 4110.74,8807.5 4155.01,8807.5 4166.94,8795.56 v1(4167.7,8795.56)